# Altium PCB 2-quilter-output.PcbDoc (part 1 of 26) (continued)
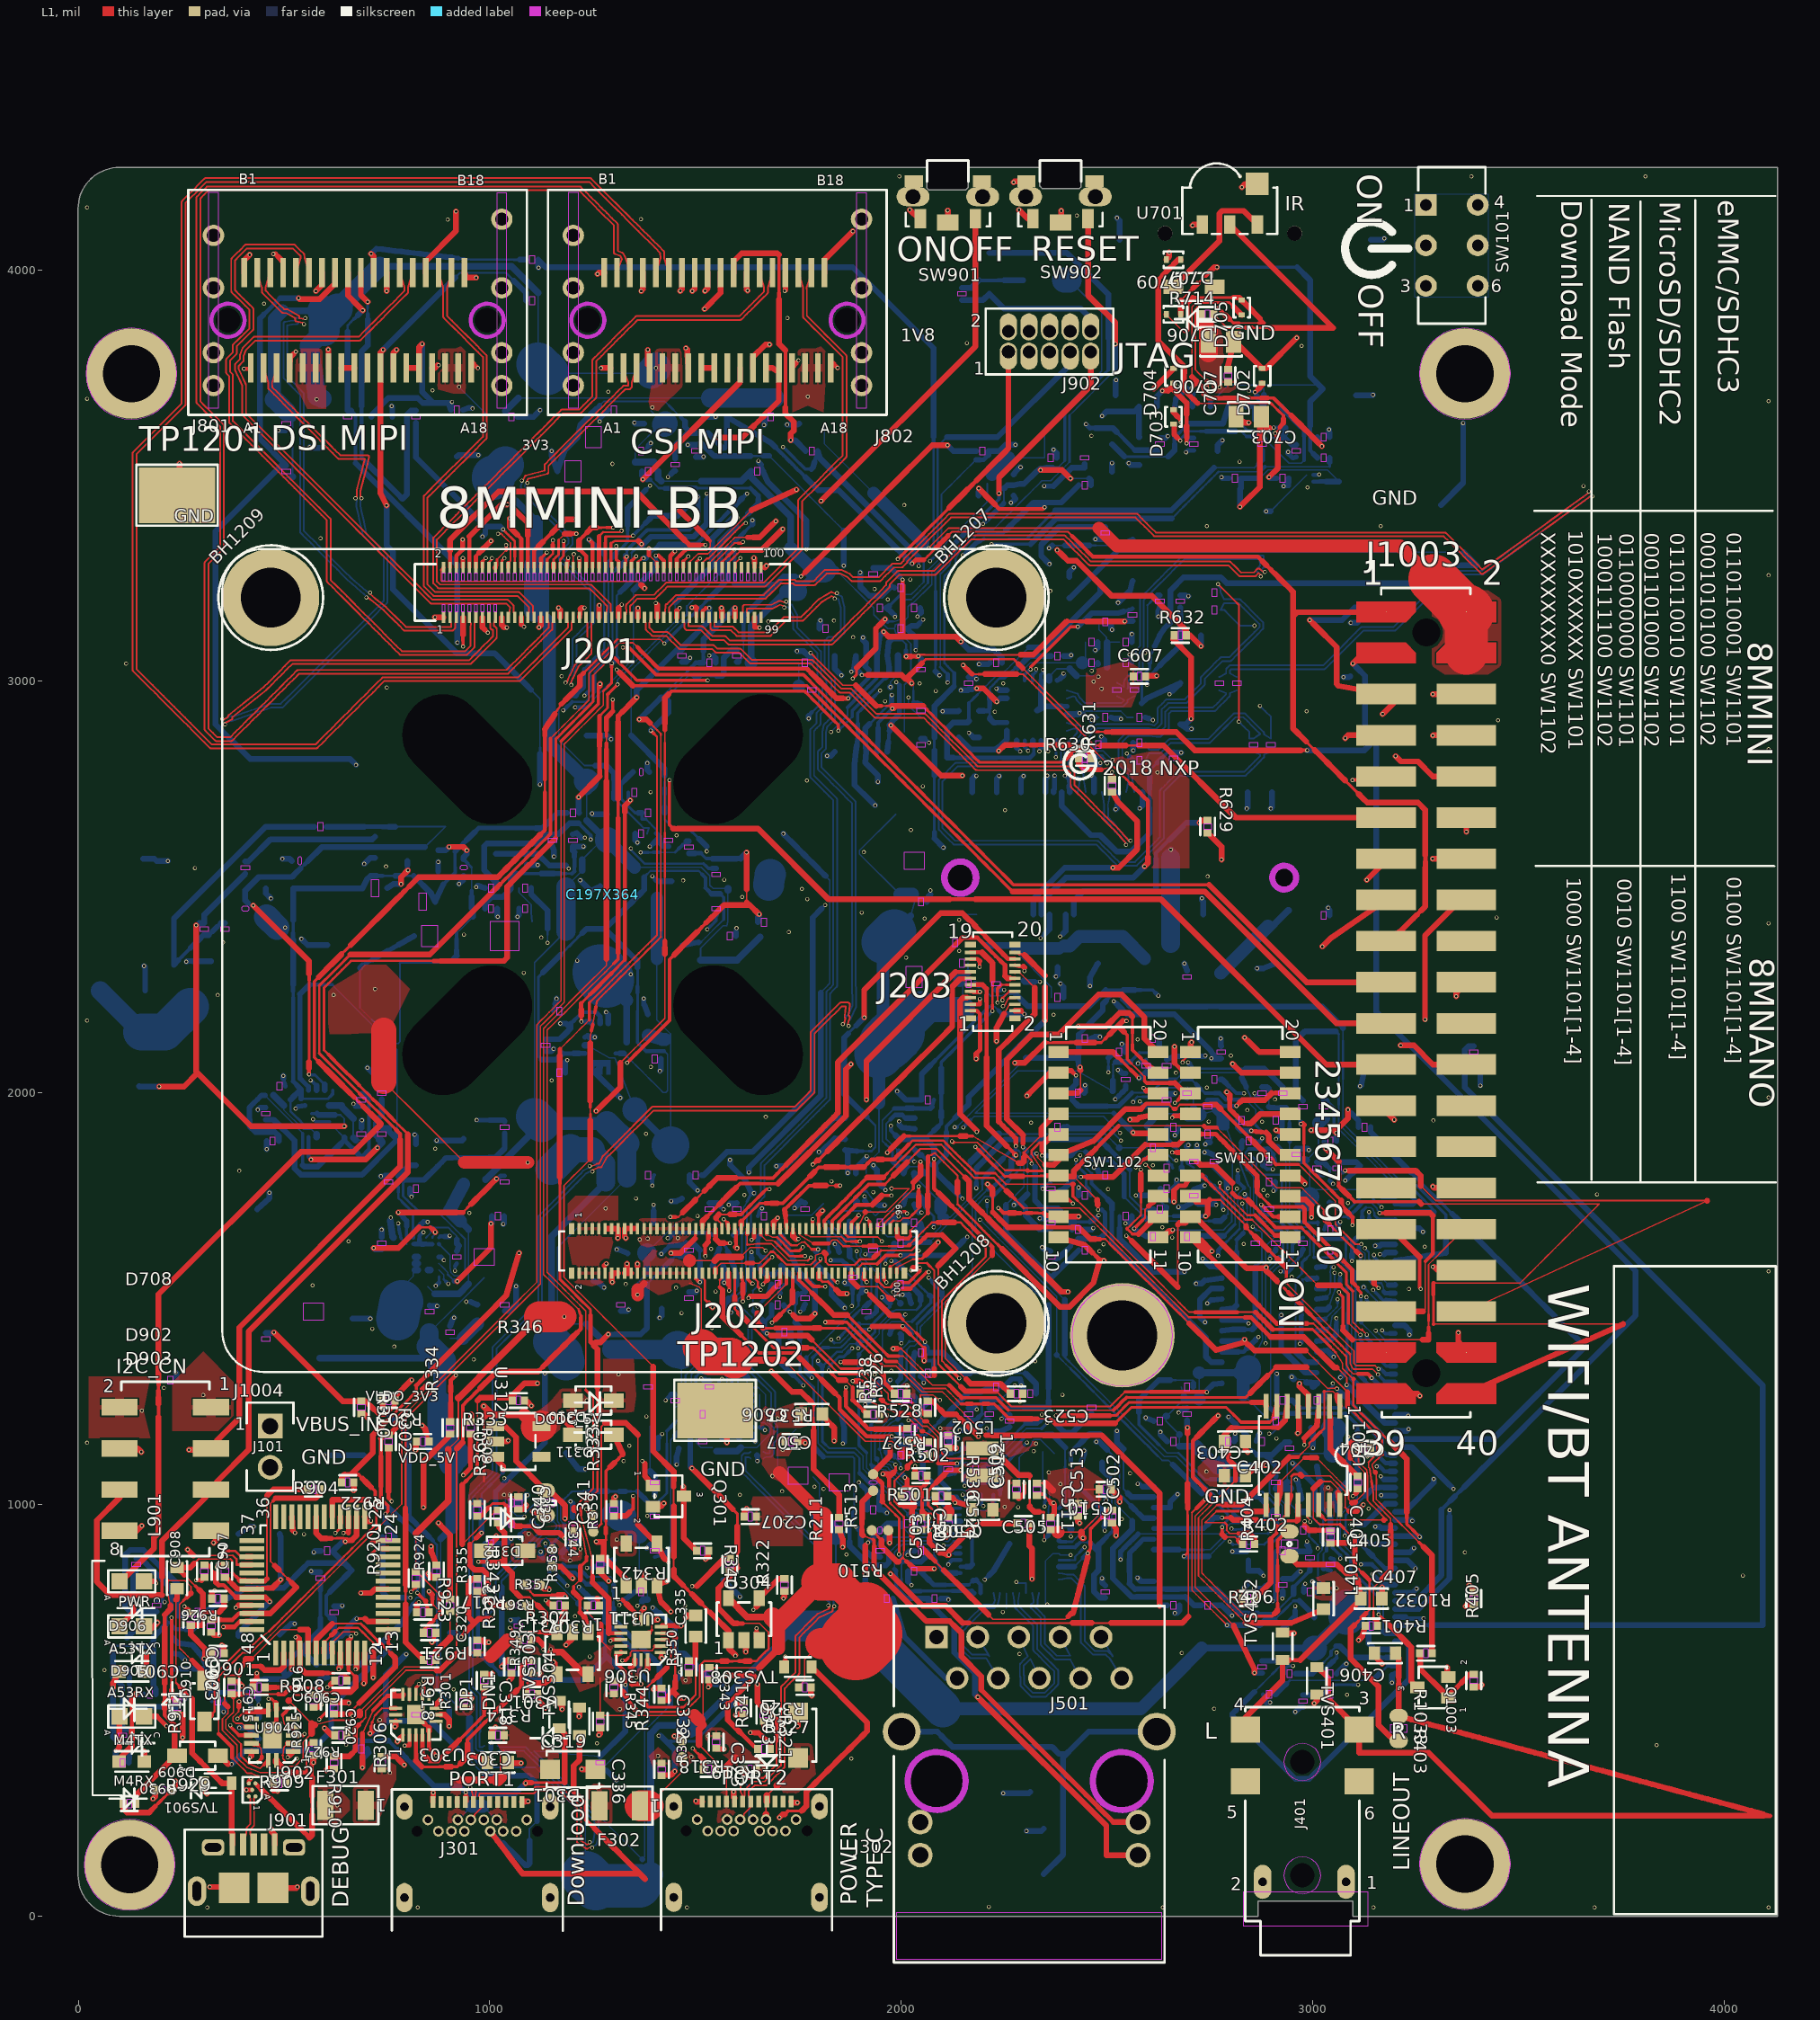
[diagram p0: L1 view]
## Components (designator, comment, footprint, x,y, rotation, side; value= is the part's Value field where it differs from the comment)
BH1201 ".635\" LONG" SPACER_139T 129,3747.79 r180 bottom locked
BH1202 ".635\" LONG" SPACER_139T 3370.63,3747.79 r180 bottom locked
BH1203 ".635\" LONG" SPACER_139T 124.63,123.79 r180 bottom locked
BH1204 ".635\" LONG" SPACER_139T 3370.63,125.79 r180 bottom locked
BH1206 "SMTSO-M25" MH244-166T 2537.63,1410.64 r180 bottom locked
BH1207 "STANDOFF M2.5" STANDOFF_CIRCLE_5P1-2P5MM_NSP 2231.58,3203.52 r45 top locked
BH1208 "STANDOFF M2.5" STANDOFF_CIRCLE_5P1-2P5MM_NSP 2231.58,1439.74 r45 top locked
BH1209 "STANDOFF M2.5" STANDOFF_CIRCLE_5P1-2P5MM_NSP 467.8,3203.52 r45 top locked
C101 "100uF" CCE8P3X8P3 605.11,2248.41 r90 bottom
C102 "0.22uF" 0402_CC#1 406.05,2547.13 r270 bottom
C103 "47UF" CASE_D_AL 1268.65,2397.82 r90 bottom
C105 "0.1uF" 0402_CC#1 688.05,1899.67 r90 bottom
C106 "0.1uF" 0402_CC#1 488.99,2015.88 r0 bottom
C107 "100UF" 1210_CC 323.11,2264.9 r90 bottom
C108 "100UF" 1210_CC 107.46,2248.3 r0 bottom
C109 "100UF" 1210_CC 157.22,2513.93 r90 bottom
C113 "0.22uF" 0402_CC#1 688.05,1982.68 r270 bottom
C114 "1uF" 0402_CC#1 455.82,1949.47 r90 bottom
C116 "0.1uF" 0402_CC#1 1401.36,2082.29 r0 bottom
C117 "0.1uF" 0402_CC#1 1135.95,2115.49 r270 bottom
C118 "1000pF" 0402_CC#1 1384.77,2679.94 r180 bottom
C119 "22uF" 0603_CC 1467.72,2513.93 r180 bottom
C120 "22uF" 0603_CC 1384.77,2165.29 r90 bottom
C121 "0.1uF" 0402_CC#1 1550.66,2447.52 r270 bottom
C122 "1000pF" 0402_CC#1 1351.6,2729.75 r0 bottom
C138 "0.22uF" 0402_CC#1 1169.12,2198.5 r180 bottom
C141 "1uF" 0402_CC#1 1583.84,2381.11 r0 bottom
C142 "10uF" 0805_CC 1285.03,2646.41 r90 bottom
C145 "0.1uF" 0402_CC#1 1152.53,2613.54 r270 bottom
C157 "100UF" 1210_CC 1235.48,2812.75 r90 bottom
C159 "0.01UF" 0402_CC#1 1666.78,2414.32 r180 bottom
C160 "220PF" 0402_CC#1 356.28,2397.72 r270 bottom
C161 "0.22uF" 0402_CC#1 472.4,1883.07 r180 bottom
C197X364 "" C197X364 945.39,2810.67 r45 top locked
C201 "1uF" 0402_CC#1 2910.92,1202.4 r0 bottom
C202 "1uF" 0402_CC#1 3010.45,1252.21 r0 bottom
C203 "0.01UF" 0402_CC#1 2877.74,1152.6 r180 bottom
C204 "0.01UF" 0402_CC#1 2628.92,1202.4 r180 bottom
C205 "1uF" 0402_CC#1 2662.09,1152.6 r180 bottom
C206 "0.01UF" 0402_CC#1 2977.28,936.78 r0 bottom
C207 "1uF" 0402_CC#2 1633.6,969.98 r180 top
C208 "0.01UF" 0402_CC#1 2794.8,1152.6 r0 bottom
C209 "0.1uF" 0402_CC#1 1384.77,1800.06 r0 bottom
C210 "22uF" 0805_CC 1367.85,1684.06 r0 bottom
C211 "0.1uF" 0402_CC#1 1484.31,1501.23 r90 bottom
C212 "22uF" 0603_CC 1417.95,1501.23 r270 bottom
C213 "0.1uF" 0402_CC#1 1318.42,1484.63 r270 bottom
C214 "22uF" 0603_CC 1467.72,1717.05 r90 bottom
C215 "0.1uF" 0402_CC#1 1467.72,3061.78 r270 bottom
C216 "0.1uF" 0402_CC#1 1534.07,3045.18 r0 bottom
C217 "22uF" 0603_CC 1335.01,1584.24 r90 bottom
C218 "22uF" 0603_CC 1252.07,1517.83 r90 bottom
C219 "0.1uF" 0402_CC#1 2048.32,2845.96 r90 bottom
C220 "0.1uF" 0402_CC#1 1816.08,3128.18 r180 bottom
C221 "0.1uF" 0402_CC#1 2363.5,3543.22 r0 bottom
C301 "4.7uF" CC1210 1301.83,920.18 r270 bottom
C302 "0.1uF" 0402_CC#1 1368.19,787.36 r180 bottom
C303 "0.01UF" 0402_CC#2 1019.83,438.73 r180 top
C304 "100uF" CCE8P3X8P3 804.07,1119.4 r180 bottom
C305 "100uF" CCE8P3X8P3 1185.71,1235.5 r270 bottom
C308 "0.1uF" 0402_CC#1 1517.48,1152.6 r90 bottom
C309 "47UF" CASE_D_AL 1567.25,920.07 r270 bottom
C311 "47UF" CC1210 1799.49,1219 r0 bottom
C313 "0.1uF" 0402_CC#1 1451.13,1252.21 r90 bottom
C314 "0.1uF" 0402_CC#1 1401.36,1052.99 r270 bottom
C315 "0.01UF" 0402_CC#1 1517.48,1219 r0 bottom
C316 "1000pF" 0402_CC#1 1534.07,1285.41 r90 bottom
C317 "4.7uF" 0603_CC 1434.54,1136 r180 bottom
C318 "2.2uF" 0402_CC#2 986.65,571.54 r270 top
C319 "4.7uF" 0603_CC 1019.83,372.33 r0 top
C320 "0.1uF" 0402_CC#2 970.06,654.55 r270 top
C321 "4.7uF" CC1210 721.23,1451.43 r180 bottom
C322 "0.1uF" 0402_CC#1 853.94,1468.03 r90 bottom
C323 "0.01UF" 0402_CC#2 1550.66,422.13 r270 top
C325 "0.1uF" 0402_CC#1 754.41,1783.46 r90 bottom
C326 "47UF" CASE_D_AL 538.65,1717.05 r180 bottom
C327 "47UF" CC1210 936.88,1833.26 r90 bottom
C329 "0.1uF" 0402_CC#1 820.76,1766.86 r180 bottom
C330 "0.01UF" 0402_CC#1 1036.41,1783.46 r270 bottom
C331 "0.1uF" 0402_CC#1 903.71,1418.22 r90 bottom
C332 "2.2uF" 0402_CC#2 1417.95,538.34 r270 top
C333 "1000pF" 0402_CC#1 920.29,1600.84 r270 bottom
C334 "4.7uF" 0603_CC 820.76,1849.86 r90 bottom
C335 "4.7uF" 0603_CC 1500.89,704.36 r90 top
C336 "0.1uF" 0402_CC#2 1268.65,471.93 r90 top
C337 "0.1uF" 0402_CC#1 1053,1003.18 r0 bottom
C338 "0.1uF" 0402_CC#1 1202.3,953.38 r90 bottom
C339 "1uF" CC0603_OV 1135.95,1003.18 r270 top
C340 "2.2uF" 0402_CC#2 1069.59,1003.18 r270 top
C341 "18PF" 0402_CC#2 1268.65,853.77 r270 top
C342 "0.1uF" 0402_CC#1 1069.59,704.36 r90 bottom
C343 "0.1uF" 0402_CC#2 1534.07,588.15 r270 top
C344 "0.1uF" 0402_CC#2 1202.3,920.18 r270 top
C401 "1uF" 0402_CC#2 3109.98,1052.99 r270 top
C402 "4.7uF" 0603_CC 2811.39,1152.6 r0 top
C403 "4.7uF" 0603_CC 2811.39,1069.59 r0 top
C404 "2.2uF" 0402_CC#2 3126.57,1136 r180 top
C405 "1uF" 0402_CC#2 3043.63,920.18 r270 top
C406 "2700pF" 0603_CC 3176.34,637.95 r0 top
C407 "2700pF" 0603_CC 3143.16,770.76 r0 top
C501 "1uF" 0402_CC#2 2098.08,1019.79 r0 top
C502 "1uF" 0402_CC#2 2512.8,969.98 r270 top
C503 "0.22uF" 0402_CC#2 2114.67,953.38 r270 top
C504 "0.22uF" 0402_CC#2 2048.32,953.38 r270 top
C505 "1uF" 0402_CC#2 2297.14,953.38 r0 top
C506 "10uF" 0603_CC 1782.9,1219 r0 top
C507 "0.22uF" 0402_CC#2 1733.13,1152.6 r0 top
C508 "10uF" 0603_CC 2197.61,986.58 r180 top
C509 "0.22uF" 0402_CC#2 2280.56,1036.39 r270 top
C510 "0.22uF" 0402_CC#2 2496.21,1036.39 r0 top
C511 "0.22uF" 0402_CC#2 2363.5,953.38 r90 top
C512 "0.22uF" 0402_CC#2 2330.32,1036.39 r270 top
C513 "0.22uF" 0402_CC#2 2429.85,986.58 r270 top
C514 "470PF" 0402_CC#1 2031.73,837.17 r180 bottom
C515 "470PF" 0402_CC#1 2048.32,886.97 r180 bottom
C516 "470PF" 0402_CC#1 2081.49,770.76 r0 bottom
C517 "1000pF" CC1210 2313.73,355.72 r90 bottom
C518 "22PF" 0402_CC#1 2496.21,969.98 r270 bottom
C519 "22PF" 0402_CC#1 2496.21,787.36 r90 bottom
C520 "0.22uF" 0402_CC#1 2031.73,1683.85 r0 bottom
C521 "0.22uF" 0402_CC#1 1932.2,1617.44 r270 bottom
C522 "0.22uF" 0402_CC#1 1666.78,1700.45 r180 bottom
C523 "0.22uF" 0402_CC#2 2280.56,1268.81 r0 top
C524 "0.22uF" 0402_CC#2 2114.67,1152.6 r270 top
C525 "0.22uF" 0402_CC#1 1600.43,1717.05 r90 bottom
C526 "0.22uF" 0402_CC#1 1766.31,1717.05 r90 bottom
C527 "0.22uF" 0402_CC#1 1948.79,1683.85 r0 bottom
C603 "1uF" 0402_CC#1 2463.03,3045.18 r0 bottom
C604 "0.01UF" 0402_CC#1 2463.03,3094.98 r0 bottom
C605 "1uF" 0402_CC#1 2545.97,3045.18 r0 bottom
C606 "0.01UF" 0402_CC#1 2579.15,2912.36 r0 bottom
C607 "0.01UF" 0402_CC#2 2579.15,3011.97 r0 top
C608 "1uF" 0402_CC#1 2496.21,3144.79 r0 bottom
C609 "0.01UF" 0402_CC#1 2545.97,3094.98 r0 bottom
C611 "0.01UF" 0402_CC#1 2496.21,2912.36 r0 bottom
C613 "18PF" 0402_CC#1 2446.44,2796.15 r0 bottom
C614 "18PF" 0402_CC#1 2380.09,3061.78 r0 bottom
C615 "0.1uF" 0402_CC#1 2816.03,2995.37 r270 bottom
C616 "0.1uF" 0402_CC#1 2773.58,2995.37 r270 bottom
C617 "0.1uF" 0402_CC#1 2695.27,2281.5 r90 bottom
C618 "10uF" 0603_CC 2380.09,2331.31 r270 bottom
C620 "0.1uF" 0402_CC#1 3027.04,2430.92 r0 bottom
C621 "0.1uF" 0402_CC#1 2380.09,2231.7 r0 bottom
C622 "0.1uF" 0402_CC#1 2230.79,2264.9 r270 bottom
C623 "10uF" 0603_CC 2297.14,2298.11 r270 bottom
C624 "220uF" CC3528-21 2844.57,2314.71 r0 bottom
C625 "220uF" CC3528-21 2545.97,2314.71 r180 bottom
C702 "1uF" 0402_CC#1 2811.39,3493.42 r180 bottom
C703 "47uF" 0805_CC 2844.9,3643.05 r180 top
C704 "0.1uF" 0402_CC#1 2960.69,3559.83 r270 bottom
C706 "47uF" 0805_CC 2777.88,3825.23 r0 top
C707 "0.1uF" 0402_CC#2 2794.8,3742.44 r90 top
C708 "22uF" 0603_CC 2794.8,3559.83 r180 bottom
C801 "22uF" 0603_CC 588.52,3593.03 r270 bottom
C802 "0.1uF" 0402_CC#1 505.58,3626.23 r270 bottom
C803 "0.1uF" 0402_CC#1 920.29,3659.43 r0 bottom
C804 "0.1uF" 0402_CC#1 1053,3642.83 r0 bottom
C805 "0.1uF" 0402_CC#1 1301.83,3659.43 r180 bottom
C806 "0.1uF" 0402_CC#1 1451.13,3526.62 r270 bottom
C807 "0.1uF" 0402_CC#1 1683.37,3642.83 r180 bottom
C811 "22uF" 0603_CC 737.82,3642.83 r0 bottom
C812 "22uF" 0805_CC 920.51,3576.76 r270 bottom
C813 "22uF" 0603_CC 1401.36,3626.23 r180 bottom
C814 "22uF" 0603_CC 1550.66,3642.83 r180 bottom
C815 "22uF" 0805_CC 1783.23,3626.02 r180 bottom
C901 "1uF" 0402_CC#2 339.7,637.95 r0 top
C902 "0.1uF" 0402_CC#2 323.11,704.36 r270 top
C903 "0.1uF" 0402_CC#2 273.34,720.96 r90 top
C905 "1uF" 0402_CC#1 339.7,521.74 r0 bottom
C906 "10uF" 0603_CC 605.11,604.75 r270 bottom
C907 "27 PF" 0402_CC#2 356.28,837.17 r90 top
C908 "27 PF" 0402_CC#2 306.52,837.17 r270 top
C909 "0.1uF" 0402_CC#2 638.29,571.54 r180 top
C910 "0.1uF" 0402_CC#1 422.64,538.34 r0 bottom
C911 "0.1uF" 0402_CC#1 588.52,820.57 r90 bottom
C912 "10uF" 0603_CC 439.23,455.33 r270 bottom
C913 "0.1uF" 0402_CC#1 621.7,737.56 r90 bottom
C914 "0.1uF" 0402_CC#1 605.11,886.97 r180 bottom
C915 "0.1uF" 0402_CC#2 372.87,554.94 r90 top
C916 "0.1uF" 0402_CC#2 571.94,521.74 r270 top
C917 "0.22uF" 0402_CC#1 240.16,521.74 r90 bottom
C918 "1uF" 0402_CC#1 190.4,754.16 r90 bottom
C920 "0.033uF" 0402_CC#2 621.7,505.14 r270 top
C1001 "10UF" CC1210 3076.81,2082.29 r0 bottom
C1002 "0.1uF" 0402_CC#1 2960.69,1849.86 r90 bottom
C1003 "0.1uF" 0402_CC#1 223.58,1302.01 r0 bottom
C1004 "0.22uF" 0402_CC#1 2944.1,1136 r90 bottom
D101 "BZX585-B2V4" SOD523 488.99,2497.33 r180 bottom
D301 "PTVS20VS1UR" SOD123W 1202.31,355.72 r0 top
D303 "PTVS20VS1UR" SOD123W 1749.72,438.74 r90 top
D308 "NSR0320" SOD323 1252.07,720.96 r0 bottom
D309 "NSR0320" SOD323 903.71,637.95 r0 bottom
D310 "NSR0320" SOD323 1252.07,1252.21 r270 top
D311 "NSR0320" SOD323 1252.07,1169.2 r90 top
D312 "NSR0320" SOD323 1036.41,886.97 r90 top
D313 "NSR0320" SOD323 970.06,1434.83 r180 bottom
D601 "NSR0320" SOD323 2562.56,3294.2 r180 bottom
D602 "NSR0320" SOD323 2678.68,2945.57 r180 bottom
D603 "NSR0320" SOD323 2678.68,3111.58 r270 bottom
D702 "ESD9L5.0ST5G" SOD-923 2877.74,3742.44 r270 top
D703 "ESD9L5.0ST5G" SOD-923 2662.09,3642.83 r270 top
D704 "ESD9L5.0ST5G" SOD-923 2662.09,3742.44 r270 top
D705 "ESD9L5.0ST5G" SOD-923 2827.98,3908.46 r270 top
D706 "ESD9L5.0ST5G" SOD-923 2662.09,3891.86 r0 top
D707 "ESD9L5.0ST5G" SOD-923 2662.09,4024.67 r0 top
D708 "LED RED" LED_0603 130.11,812.85 r0 top locked
D709 "NSR0320" SOD323 2711.86,3958.26 r270 top
D902 "LED GREEN" LED_0603 130.11,484.53 r0 top locked
D903 "LED_ORANGE" LED_0603_11MIL 130.11,375.09 r0 top locked
D905 "LED_ORANGE" LED_0603_11MIL 130.11,593.97 r0 top locked
D906 "LED GREEN" LED_0603 130.11,703.41 r0 top locked
D907 "NSR0320" SOD323 2346.91,3974.86 r90 bottom
D908 "NSR0320" SOD323 2214.2,3991.47 r180 bottom
D909 "NSR0320" SOD323 289.93,388.93 r270 top
D910 "NSR0320" SOD323 306.52,521.74 r180 top
D1001 "ESD9L5.0ST5G" SOD-923 3109.98,3161.39 r90 bottom
D1002 "ESD9L5.0ST5G" SOD-923 3109.98,3011.97 r0 bottom
F301 "7A" FUSE_3P4X1P8 649.63,268.79 r180 top locked
F302 "7A" FUSE_3P4X1P8 1316.25,267.54 r180 top locked
J101 "HDR 1X2 TH" HDR102 466.26,1189.82 r0 top locked
J201 "DF40C-100DS-0.4V(51)" CON100_0P4_22P8X3P1_SM 1273.63,3215.79 r0 top locked
J202 "DF40C-100DP-0.4V(51)" CON100_0P4_21P7X2P05_SM 1603.63,1615.79 r180 top locked
J203 "DF40C-20DP-0.4V(51)" CON20_0P4_5P7X2P05_SM 2222.59,2270.27 r270 top locked
J301 "23K20101#LCP-582RF" CON24_USB_TYPEC_RA_SMT_TH 1090.01,233.04 r0 top locked
J302 "23K20101#LCP-582RF" CON24_USB_TYPEC_RA_SMT_TH 1744.63,233.79 r0 top locked
J401 "KJ366EYS" CON6_AUDIOJACK_RA_TH 3081.63,82.47 r90 top locked
J501 "HR851178C" CON_RJ45_10F_100_TH_RA 2086.26,677.44 r180 top locked
J601 "CON_MINI CARD_RA" CON_75_0P5_22X9_RA 2537.63,2588.79 r180 bottom locked
J701 "CONN_SD_CARD 9" CON9_SDCARD_1P1MM 2836.46,3950.87 r180 bottom locked
J801 "IPASS MINISAS" CON_36_0P8_TH 679.06,3877.36 r0 top locked
J802 "IPASS MINISAS" CON_36_0P8_TH 1553.63,3877.36 r0 top locked
J901 "MICRO_USB_TYPEB" CON_USB_TYPE_B_SM 426.13,67.71 r0 top locked
J902 "HDR 2X5" CON_2RH_10_50 2260.96,3800.67 r0 top locked
J1001 "XF2M-6015-1AH" CON_FPC_60F_0P5_SM_RA 3269.63,1168.79 r270 bottom locked
J1003 "TSM-120-01-F-DV-A" HDR220_TSM_A_SM 3276.63,2218.79 r0 top locked
J1004 "SSM-104-L-DV" CON_2X4_SKT_100_SM 211.63,1085.79 r0 top locked
L101 "1.5uH" IND_IHLP 257.75,2015.88 r0 bottom
L102 "0.47uH" IND_SPH2520 1467.84,2397.71 r90 bottom
L401 "120 OHM" 0603_CC 3027.04,770.76 r90 top
L501 "120 OHM" 0603_CC 1948.79,1351.82 r180 bottom
L502 "4.7uH" IND_VLS252010 2197.2,1102.72 r270 top
L503 "120 OHM" 0603_CC 2346.91,1102.79 r180 bottom
L601 "120 OHM" 0603_CC 2015.14,2679.94 r180 bottom
L602 "120 OHM" 0603_CC 2031.73,2397.72 r0 bottom
L901 "120 OHM" 0603_CC 240.16,820.57 r90 top
Q101 "AON7405" DFN3P3X3P3_8L_EX 1666.77,2530.53 r0 bottom
Q102 "NX3008NBKW,115" SC70_3 1053,2580.33 r270 bottom
Q301 "NX3008NBKW,115" SC70_3 1434.54,1019.79 r270 top
Q604 "NX3008NBKW,115" SC70_3 2446.44,3227.79 r90 bottom
Q903 "NX3008NBKW,115" SC70_3 837.35,2563.73 r270 bottom
Q1001 "SI2343DS" SOT-23 2960.91,687.75 r270 bottom
Q1002 "2N7002" SOT23_A 3010.45,1052.99 r180 bottom
Q1003 "NX3008NBKW,115" SC70_3 3292.46,554.94 r90 top
R101 "1.4M" RC0603_OV#1 837.35,2464.12 r0 bottom
R102 "3.3" 0603_CC 721.23,2596.93 r90 bottom
R103 "0" RC1206_OV 1036.37,2381.11 r0 bottom
R105 "43K" RC0402_25#1 406.05,2447.52 r90 bottom
R107 "100K" 0402_CC#1 737.82,1899.67 r270 bottom
R108 "100K" 0402_CC#1 737.82,1999.28 r90 bottom
R109 "5.6K" RC0402_25#1 538.76,2563.73 r180 bottom
R110 "187K" 0402_CC#1 1434.54,2613.54 r270 bottom
R111 "41.2K" RC0402_25#1 1368.19,2779.55 r0 bottom
R112 "100K" 0402_CC#1 1086.18,2497.33 r0 bottom
R113 "10K" 0402_CC#1 1550.66,2530.53 r90 bottom
R114 "1K" 0402_CC#1 1202.3,2613.54 r270 bottom
R115 "100K" 0402_CC#1 1003.24,2447.52 r0 bottom
R120 "0" 0805_CC 1716.88,2331.09 r180 bottom
R125 "22K" 0402_CC#1 1086.18,2447.52 r180 bottom
R129 "4.7K" 0402_CC#1 1484.31,2596.93 r90 bottom
R131 "1K" 0402_CC#1 1368.19,2630.14 r180 bottom
R133 "100K" 0402_CC#1 1003.24,2497.33 r180 bottom
R134 "22K" 0402_CC#1 1169.12,2049.08 r0 bottom
R135 "499K" 0402_CC#1 306.52,2397.72 r270 bottom
R136 "499" 0402_CC#1 588.52,2646.74 r0 bottom
R137 "1.5M" RC0805_OV 853.94,2381.11 r180 bottom
R138 "1.2M" RC0603_OV#1 721.23,2497.33 r0 bottom
R139 "118K" RC0402_25#1 936.88,2547.13 r270 bottom
R140 "0" 0402_CC#1 1202.3,2679.94 r180 bottom
R201 "10K" 0402_CC#1 1948.79,3177.99 r0 bottom
R202 "10K" 0402_CC#1 2048.32,3028.58 r90 bottom
R203 "10K" 0402_CC#1 1998.55,3128.18 r0 bottom
R204 "10K" 0402_CC#1 1998.55,3227.79 r180 bottom
R205 "10K" 0402_CC#1 1766.31,3045.18 r0 bottom
R206 "10K" 0402_CC#1 1932.2,3261 r90 bottom
R207 "10K" 0402_CC#1 2031.73,3177.99 r0 bottom
R208 "10K" 0402_CC#1 2048.32,2928.97 r90 bottom
R209 "10K" 0402_CC#1 2695.27,1285.41 r0 bottom
R210 "0" 0402_CC#1 2446.44,3476.82 r180 bottom
R211 "0" 0402_CC#2 1849.25,953.38 r270 top
R212 "0" 0402_CC#1 2745.04,754.16 r0 bottom
R213 "0" 0402_CC#1 2662.09,754.16 r0 bottom
R214 "10K" 0402_CC#1 1782.9,2978.77 r90 bottom
R215 "100K" 0402_CC#1 2695.27,1219 r90 bottom
R216 "0" 0402_CC#1 1600.43,3061.78 r270 bottom
R217 "0" 0402_CC#1 1500.89,1800.06 r0 bottom
R218 "0" 0402_CC#1 2197.61,3559.83 r180 bottom
R219 "0" 0402_CC#1 1484.31,1617.44 r90 bottom
R301 "47K" 0402_CC#2 936.88,521.74 r90 top
R302 "0" 0402_CC#2 754.41,1152.6 r270 top
R303 "0" 0402_CC#2 754.41,1252.21 r180 top
R304 "1.2M" 0402_CC#2 1086.18,671.15 r0 top
R305 "0" 0402_CC#1 754.41,920.18 r180 bottom
R306 "1M" 0402_CC#2 737.82,372.33 r90 top
R307 "1K" 0402_CC#2 1252.07,754.16 r0 top
R308 "0" 0402_CC#1 1053,953.38 r0 bottom
R309 "0" 0402_CC#2 953.47,1185.8 r270 top
R310 "0" 0402_CC#2 688.05,1235.61 r270 top
R311 "0" 0402_CC#1 1036.41,1916.27 r270 bottom
R312 "0" 0402_CC#1 455.82,1401.62 r270 bottom
R313 "249K" 0402_CC#2 1169.12,754.16 r180 top
R314 "249K" 0402_CC#2 1102.77,538.34 r0 top
R315 "0" RC0805_OV 1849.25,1052.99 r90 bottom
R316 "0" RC0805_OV 1749.72,1069.59 r90 bottom
R318 "1.2M" 0402_CC#2 1534.07,355.72 r180 top
R319 "1M" 0402_CC#2 1633.6,355.72 r180 top
R320 "1K" 0402_CC#2 1766.31,554.94 r0 top
R321 "249K" 0402_CC#2 1666.78,488.54 r270 top
R322 "249K" 0402_CC#2 1716.55,803.97 r270 top
R323 "0" RC0805_OV 986.65,1600.84 r270 bottom
R325 "0" RC0805_OV 571.94,1468.03 r270 bottom
R327 "10K" 0402_CC#2 1666.78,405.53 r0 top
R328 "100K" 0402_CC#1 1401.36,969.98 r270 bottom
R329 "100K" 0402_CC#1 1401.36,886.97 r270 bottom
R330 "100K" 0402_CC#1 737.82,1634.04 r270 bottom
R331 "100K" 0402_CC#1 1019.83,1700.45 r180 bottom
R332 "0" 0402_CC#2 1053,604.75 r90 top
R333 "1M" 0402_CC#2 1301.83,986.58 r270 top
R334 "0" 0402_CC#2 903.71,1185.8 r90 top
R335 "0" 0402_CC#2 837.35,1152.6 r0 top
R336 "0" 0402_CC#1 688.05,405.53 r0 bottom
R337 "0" 0402_CC#1 820.76,488.54 r270 bottom
R338 "0" 0402_CC#1 1268.65,372.33 r90 bottom
R339 "0" 0402_CC#1 1003.24,903.58 r180 bottom
R340 "0" 0402_CC#2 1583.84,853.77 r270 top
R341 "0" 0402_CC#2 1617.01,505.14 r90 top
R342 "10K" 0402_CC#2 1517.48,886.97 r180 top
R343 "1K" 0402_CC#2 970.06,986.58 r270 top
R344 "10K" 0402_CC#2 1417.95,355.72 r270 top
R345 "10K" 0402_CC#2 1301.83,554.94 r90 top
R346 "10K" 0402_CC#2 1069.59,1252.21 r0 top
R349 "0" 0402_CC#2 1102.77,604.75 r90 top
R350 "0" 0402_CC#2 1484.31,604.75 r90 top
R353 "0" 0402_CC#1 1384.77,1285.41 r90 bottom
R354 "0" 0402_CC#1 1036.41,1484.63 r270 bottom
R355 "100K" 0402_CC#2 970.06,803.97 r270 top
R356 "174K" RC0402_25#2 1467.72,405.53 r90 top
R357 "24.9K" RC0402_25#2 1102.77,803.97 r0 top
R358 "120K" RC0402_25#2 1152.53,870.37 r270 top
R359 "24.9K" RC0402_25#2 1252.07,953.38 r90 top
R360 "1K" 0402_CC#2 1019.83,969.98 r90 top
R361 "47K" RC0402_25#2 1069.59,754.16 r180 top
R401 "0" 0402_CC#2 3143.16,704.36 r0 top
R402 "0" 0402_CC#2 2844.57,903.58 r0 top
R403 "510" RC0603_OV#2 3209.52,455.33 r90 top
R404 "510" RC0603_OV#2 2944.1,903.58 r270 top
R405 "10K" 0402_CC#2 3391.99,770.76 r270 top
R406 "10K" 0402_CC#2 2844.57,770.76 r180 top
R501 "0" 0402_CC#2 2015.14,1019.79 r0 top
R502 "0" 0402_CC#2 2048.32,1069.59 r180 top
R503 "0" 0402_CC#1 1965.37,770.76 r0 bottom
R506 "10K" 0402_CC#1 1534.07,1717.05 r90 bottom
R508 "1.5K" 0402_CC#1 2015.14,953.38 r0 bottom
R509 "10K" 0402_CC#1 2463.03,1235.61 r270 bottom
R510 "270" RC0402_25#2 1948.79,936.78 r0 top
R511 "0" 0402_CC#1 2114.67,1086.19 r270 bottom
R512 "0" 0402_CC#1 2181.02,1086.19 r180 bottom
R513 "270" RC0402_25#2 1932.2,1052.99 r270 top
R514 "1M" 1206_CC 2346.91,156.5 r270 bottom
R515 "2.37K" 0402_CC#1 2114.67,1169.2 r90 bottom
R516 "10K" 0402_CC#1 2048.32,1368.42 r180 bottom
R517 "10K" 0402_CC#1 2313.73,1268.81 r180 bottom
R518 "10K" 0402_CC#1 1766.31,1501.23 r270 bottom
R519 "10K" 0402_CC#1 2031.73,1185.8 r0 bottom
R520 "10K" 0402_CC#1 1716.55,1418.22 r0 bottom
R521 "10K" 0402_CC#1 2164.44,1219 r90 bottom
R522 "10K" 0402_CC#1 2064.91,1318.61 r180 bottom
R523 "10K" 0402_CC#1 1998.55,1534.43 r180 bottom
R524 "10K" 0402_CC#1 1932.2,1268.81 r270 bottom
R525 "10K" 0402_CC#1 2230.79,1285.41 r0 bottom
R526 "10K" 0402_CC#2 2015.14,1169.2 r270 top
R527 "1.5K" 0402_CC#2 1998.55,1268.81 r180 top
R528 "1.5K" 0402_CC#2 1932.2,1219 r180 top
R530 "0" 0402_CC#1 2263.97,1202.4 r270 bottom
R531 "0" 0402_CC#1 1998.55,1119.4 r180 bottom
R532 "0" 0402_CC#1 2015.14,1252.21 r270 bottom
R533 "0" 0402_CC#1 1932.2,986.58 r0 bottom
R534 "0" 0402_CC#1 2214.2,1219 r270 bottom
R535 "0" 0402_CC#1 1948.79,886.97 r90 bottom
R536 "0" 0402_CC#2 2064.91,1136 r90 top
R537 "0" 0402_CC#2 1915.61,1268.81 r180 top
R538 "0" 0402_CC#2 2064.91,1235.61 r90 top
R539 "0" 0402_CC#1 1915.61,1468.03 r270 bottom
R540 "0" 0402_CC#1 1699.96,1484.63 r0 bottom
R541 "0" 0402_CC#1 1699.96,1534.43 r0 bottom
R542 "0" 0402_CC#1 1882.43,1551.04 r90 bottom
R543 "0" 0402_CC#1 1998.55,1634.04 r180 bottom
R544 "0" 0402_CC#1 2064.91,1982.68 r0 bottom
R601 "0" RC0805_OV 2031.73,2281.5 r0 bottom
R602 "0" RC0805_OV 2031.73,2563.73 r270 bottom
R603 "0" 0402_CC#1 2131.26,2364.51 r180 bottom
R604 "0" 0402_CC#1 2147.85,2314.71 r180 bottom
R610 "0" 0402_CC#1 2524.75,2978.77 r90 bottom
R611 "0" 0402_CC#1 2567.2,2978.77 r90 bottom
R612 "0" 0402_CC#1 2562.56,3161.39 r90 bottom
R613 "0" 0402_CC#1 2230.79,3045.18 r180 bottom
R614 "0" 0402_CC#1 2761.62,3215.81 r0 bottom
R615 "0" 0402_CC#1 2761.62,3173.37 r0 bottom
R616 "0" 0402_CC#1 2856.52,2845.96 r90 bottom
R617 "0" 0402_CC#1 2898.97,2845.96 r90 bottom
R618 "0" 0402_CC#1 2496.21,3360.61 r90 bottom
R619 "0" 0402_CC#1 2628.92,3194.59 r90 bottom
R620 "0" 0402_CC#1 2678.68,3194.59 r270 bottom
R621 "49.9" 0402_CC#1 2579.15,2808.13 r180 bottom
R622 "49.9" 0402_CC#1 2579.15,2850.58 r180 bottom
R623 "10K" 0402_CC#1 2164.44,2264.9 r0 bottom
R624 "0" 0402_CC#1 2048.32,2464.12 r0 bottom
R625 "0" 0402_CC#1 2164.44,2995.37 r270 bottom
R626 "10K" 0402_CC#1 2662.09,2812.75 r90 bottom
R627 "10K" 0402_CC#1 2479.62,2845.96 r0 bottom
R629 "0" 0402_CC#2 2745.04,2646.74 r270 top
R630 "0" 0402_CC#2 2446.44,2812.75 r0 top
R631 "0" 0402_CC#2 2512.8,2746.35 r90 top
R632 "0" 0402_CC#2 2678.68,3111.58 r0 top
R702 "0" 0402_CC#1 2927.51,3493.42 r180 bottom
R704 "0" 0402_CC#1 3027.04,3543.22 r180 bottom
R705 "0" 0402_CC#1 3027.04,3593.03 r180 bottom
R707 "0" 0402_CC#1 2711.86,3576.43 r90 bottom
R708 "0" 0402_CC#1 2877.74,3576.43 r90 bottom
R709 "0" 0402_CC#1 2628.92,3576.43 r90 bottom
R713 "1K" 0402_CC#1 2446.44,3543.22 r270 bottom
R714 "47" 0402_CC#2 2745.04,3891.86 r0 top
R801 "10K" 0402_CC#1 654.88,3642.83 r90 bottom
R802 "10K" 0402_CC#1 1384.77,3510.02 r180 bottom
R803 "10K" 0402_CC#1 1650.19,3510.02 r0 bottom
R804 "10K" 0402_CC#1 505.58,3510.02 r90 bottom
R805 "10K" 0402_CC#1 1102.77,3925.06 r180 bottom
R806 "10K" 0402_CC#1 1368.19,3559.83 r0 bottom
R807 "0" 0402_CC#1 1500.89,3559.83 r90 bottom
R808 "0" 0402_CC#1 820.76,3642.83 r270 bottom
R809 "0" 0402_CC#1 1782.9,3559.83 r0 bottom
R810 "0" 0402_CC#1 1102.77,4024.67 r0 bottom
R811 "0" RC0805_OV 1202.3,3510.02 r180 bottom
R812 "0" RC0805_OV 1252.07,3593.03 r180 bottom
R902 "1K" 0402_CC#1 107.46,372.33 r0 bottom
R903 "1K" 0402_CC#1 173.81,538.34 r0 bottom
R904 "470" 0402_CC#2 571.94,1036.39 r0 top
R908 "0" 0402_CC#2 439.23,554.94 r180 top
R909 "0" 0402_CC#2 488.99,322.52 r0 top
R910 "0" 0402_CC#2 621.7,372.33 r90 top
R911 "0" 0402_CC#2 240.16,505.14 r90 top
R915 "1K" 0402_CC#1 107.46,438.73 r90 bottom
R916 "1K" 0402_CC#1 140.63,853.77 r90 bottom
R917 "10K" 0402_CC#2 903.71,754.16 r90 top
R918 "10K" 0402_CC#2 853.94,621.35 r180 top
R919 "10K" 0402_CC#1 2147.85,3941.66 r270 bottom
R920 "100" 0402_CC#2 820.76,820.57 r270 top
R921 "0" 0402_CC#2 853.94,687.75 r0 top
R922 "0" 0402_CC#2 654.88,1052.99 r0 top
R923 "0" 0402_CC#2 837.35,737.56 r180 top
R924 "4.7K" 0402_CC#2 870.53,837.17 r90 top
R925 "1.5K" 0402_CC#2 571.94,405.53 r90 top
R926 "10K" 0402_CC#2 339.7,770.76 r180 top
R927 "0" 0402_CC#2 638.29,438.73 r180 top
R928 "0" 0402_CC#1 289.93,737.56 r0 bottom
R929 "100K" 0402_CC#2 124.04,272.72 r180 top
R930 "120K" RC0402_25#2 206.99,305.92 r0 top
R1001 "0" 0805_CC 3010.78,1733.44 r180 bottom
R1003 "0" 0402_CC#1 2977.28,521.74 r270 bottom
R1004 "0" 0402_CC#1 3043.63,538.34 r0 bottom
R1005 "0" 0402_CC#1 2927.51,886.97 r180 bottom
R1006 "0" 0402_CC#1 2993.86,870.37 r270 bottom
R1009 "0" 0402_CC#1 3126.57,1916.27 r180 bottom
R1010 "0" 0402_CC#1 2927.51,1252.21 r180 bottom
R1011 "0" 0402_CC#1 2910.92,969.98 r270 bottom
R1012 "0" 0402_CC#1 2993.86,787.36 r180 bottom
R1013 "0" 0402_CC#1 2927.51,803.97 r270 bottom
R1014 "0" 0402_CC#1 3060.22,1816.66 r90 bottom
R1015 "0" 0402_CC#1 2894.33,1833.26 r0 bottom
R1016 "0" 0402_CC#1 3043.63,1883.07 r0 bottom
R1017 "0" 0402_CC#1 3043.63,1667.25 r180 bottom
R1018 "0" 0402_CC#1 3043.63,1617.44 r180 bottom
R1019 "0" 0402_CC#1 3010.45,1816.66 r270 bottom
R1020 "0" 0402_CC#1 3043.63,588.15 r180 bottom
R1021 "0" 0402_CC#1 3391.99,2098.89 r270 bottom
R1022 "0" 0402_CC#1 2977.28,1634.04 r270 bottom
R1023 "0" 0402_CC#1 2877.74,604.75 r270 bottom
R1024 "0" 0402_CC#1 3043.63,853.77 r270 bottom
R1025 "0" 0402_CC#1 2944.1,588.15 r180 bottom
R1026 "0" 0402_CC#1 2894.33,538.34 r180 bottom
R1027 "0" 0402_CC#1 2977.28,1966.08 r270 bottom
R1028 "0" 0402_CC#1 3027.04,1966.08 r270 bottom
R1029 "22K" 0402_CC#1 2910.92,1052.99 r90 bottom
R1030 "47" 0402_CC#1 3043.63,936.78 r90 bottom
R1031 "10K" 0402_CC#1 2877.74,1999.28 r90 bottom
R1032 "1K" 0402_CC#2 3275.87,637.95 r180 top
R1033 "10K" 0402_CC#2 3391.99,571.54 r270 top
R1034 "0" 0805_CC 3027.37,1185.58 r180 bottom
R1101 "4.7K" 0402_CC#1 2745.04,1966.08 r270 bottom
R1102 "100K" 0402_CC#1 2844.57,1883.07 r0 bottom
R1103 "4.7K" 0402_CC#1 2695.27,1999.28 r90 bottom
R1104 "100K" 0402_CC#1 2446.44,1750.25 r180 bottom
R1105 "4.7K" 0402_CC#1 2612.33,1866.47 r180 bottom
R1106 "100K" 0402_CC#1 2645.5,1982.68 r90 bottom
R1107 "4.7K" 0402_CC#1 2910.92,1634.04 r90 bottom
R1108 "100K" 0402_CC#1 2711.86,1833.26 r90 bottom
R1109 "4.7K" 0402_CC#1 2695.27,1650.65 r180 bottom
R1110 "100K" 0402_CC#1 2778.21,2098.89 r90 bottom
R1111 "4.7K" 0402_CC#1 2827.98,1932.87 r0 bottom
R1112 "100K" 0402_CC#1 2363.5,1766.86 r90 bottom
R1113 "4.7K" 0402_CC#1 2894.33,1783.46 r180 bottom
R1114 "100K" 0402_CC#1 2529.38,2098.89 r0 bottom
R1115 "4.7K" 0402_CC#1 2861.16,1634.04 r270 bottom
R1116 "100K" 0402_CC#1 2645.5,1766.86 r0 bottom
R1117 "4.7K" 0402_CC#1 2894.33,1717.05 r90 bottom
R1118 "100K" 0402_CC#1 2628.92,1717.05 r0 bottom
R1119 "4.7K" 0402_CC#1 2446.44,1617.44 r0 bottom
R1120 "100K" 0402_CC#1 2595.74,2065.68 r90 bottom
R1121 "4.7K" 0402_CC#1 2496.21,1800.06 r0 bottom
R1122 "100K" 0402_CC#1 2429.85,1999.28 r0 bottom
R1123 "4.7K" 0402_CC#1 2745.04,1899.67 r180 bottom
R1124 "100K" 0402_CC#1 2446.44,2132.09 r0 bottom
R1125 "4.7K" 0402_CC#1 2927.51,1999.28 r270 bottom
R1126 "100K" 0402_CC#1 2429.85,1667.25 r0 bottom
R1127 "4.7K" 0402_CC#1 2612.33,2132.09 r180 bottom
R1128 "100K" 0402_CC#1 2761.62,1833.26 r90 bottom
R1129 "4.7K" 0402_CC#1 2645.5,1816.66 r180 bottom
R1130 "100K" 0402_CC#1 2363.5,1683.85 r90 bottom
R1131 "4.7K" 0402_CC#1 2380.09,1916.27 r180 bottom
R1132 "100K" 0402_CC#1 2363.5,1600.84 r90 bottom
R1133 "4.7K" 0402_CC#1 2612.33,1650.65 r0 bottom
R1134 "100K" 0402_CC#1 2711.86,1750.25 r90 bottom
R1135 "4.7K" 0402_CC#1 2645.5,2065.68 r270 bottom
R1136 "100K" 0402_CC#1 2545.97,2032.48 r90 bottom
R1137 "4.7K" 0402_CC#1 2761.62,2032.48 r180 bottom
R1138 "4.7K" 0402_CC#1 2910.92,1932.87 r180 bottom
R1139 "100K" 0402_CC#1 2662.09,1916.27 r0 bottom
R1140 "100K" 0402_CC#1 2545.97,1700.45 r0 bottom
SW101 "M096H-A020RT21A" SW6_DPDT_M096H_TH 3275.77,4157.78 r0 top locked
SW901 "TACT SWTICH" SW2_3P4_TACT_SM_NSP 2113.63,4177.79 r180 top locked
SW902 "TACT SWTICH" SW2_3P4_TACT_SM_NSP 2387.53,4177.79 r180 top locked
SW1101 "97C10ST" SW_DIP10_SM 2824.63,1873.79 r270 top locked
SW1102 "97C10ST" SW_DIP10_SM 2503.63,1873.79 r270 top locked
TP1201 "TESTLOOP" TEST_PIN_TP107 240,3452 r180 top
TP1202 "TESTLOOP" TEST_PIN_TP107 1548,1228 r180 top
TP1203 "TESTLOOP" TEST_PIN_TP107 3312,3428 r90 bottom
TVS303 "ESD5B5.0ST1G" DIODE2_SOD523 1218.67,472.27 r270 top
TVS304 "ESD5B5.0ST1G" DIODE2_SOD523 1168.9,488.87 r270 top
TVS307 "ESD5B5.0ST1G" DIODE2_SOD523 1450.91,604.42 r90 bottom
TVS308 "ESD5B5.0ST1G" DIODE2_SOD523 1749.39,604.53 r0 top
TVS401 "ESD5B5.0ST1G" DIODE2_SOD523 3010.67,571.21 r90 top
TVS402 "ESD5B5.0ST1G" DIODE2_SOD523 2927.29,654.88 r270 top
TVS701 "ESD5B5.0ST1G" DIODE2_SOD523 2578.93,3559.49 r90 bottom
TVS702 "ESD5B5.0ST1G" DIODE2_SOD523 2512.58,3542.89 r90 bottom
TVS901 "ESD5B5.0ST1G" DIODE2_SOD523 339.36,322.3 r0 top
U101 "MP8759GD" QFN12_0P5_3P1X2P1 588.53,1949.47 r90 bottom
U102 "MP2147GD" QFN12_0P5_2X3MM_EP 1268.65,2115.49 r0 bottom
U201 "PCA6416APW" TSSOP24_0P65_7P9X4P5 2895.04,1434.83 r0 bottom
U202 "74AVC8T245PW" TSSOP24_65MM 2729.19,953.38 r180 bottom
U203 "NTS0104PW" TSSOP14 1915.61,2945.52 r90 bottom
U204 "74AUP1G125GW" SC70-5 2230.79,3477.12 r270 bottom
U301 "SGM8709YN5G" SOT-23-5 1202.3,638.13 r180 top
U302 "NX20P3483UK" WLCSP42_0P4_2P94X2P54_SMDP 1617.01,1219 r0 bottom
U303 "PTN5110" HX2QFN16_0P4_2P7X2P7 820.76,488.54 r90 top
U304 "SGM8709YN5G" SOT-23-5 1617.01,720.77 r0 top
U305 "NX20P3483UK" WLCSP42_0P4_2P94X2P54_SMDP 837.35,1600.84 r180 bottom
U306 "PTN5110" HX2QFN16_0P4_2P7X2P7 1368.19,671.15 r180 top
U307 "PCMF1USB3S" WLCSP5_0P4_0P82X1P22 1003.24,405.53 r90 bottom
U308 "NX20P0407" WLCSP12_0P4_1P3X1P7MM_SMDP 1135.95,969.98 r180 bottom
U309 "PCMF1USB3S" WLCSP5_0P4_0P82X1P22 1650.19,1119.4 r270 bottom
U310 "NX20P0407" WLCSP12_0P4_1P3X1P7MM_SMDP 1152.53,853.77 r90 bottom
U311 "SGM8709YN5G" SOT-23-5 1368.19,853.55 r0 top
U312 "TPS70933DBVR" SOT23-5 1069.59,1152.6 r270 top
U401 "WM8524CGEDT" TSSOP16 2977.26,1118.52 r270 top
U501 "AR8031" QFN48_0P4_6X6MM_EPAD 2264.05,903.71 r180 bottom
U502 "NC7WV16" SC70_6LEAD 1849.25,1650.43 r90 bottom
U503 "NC7WV16" SC70_6LEAD 1998.55,1451.21 r90 bottom
U504 "NC7WV16" SC70_6LEAD 1683.37,1617.23 r90 bottom
U505 "NC7WV16" SC70_6LEAD 1915.61,1766.64 r90 bottom
U506 "NC7WV16" SC70_6LEAD 1567.25,1617.23 r90 bottom
U507 "NC7WV16" SC70_6LEAD 2031.73,1766.64 r90 bottom
U508 "NTS0102" TSSOP8_A 1948.79,1899.67 r180 bottom
U601 "9FGV0241AKLF" QFN24_0P5_4X4_EP2P2 2330.18,2928.86 r0 bottom
U701 "IRM-V538M3/TR1" RCVR_SM_IRM_V5 2799.08,4172.91 r0 top locked